# Altium PCB DD2090_4CAM_FFC.PcbDoc (part 3 of 4)
Units mm, origin at the board's own origin, x right, y up, seen from the top; angles counter-clockwise.
Board outline 65 x 38 mm, 6 copper layers (Top Copper, Layer 1, Layer 2, Layer 3, Layer 4, Bottom Layer), stack 1.578 mm thick; 177 components, 156 nets, 914 pads, 584 vias.
Unrouted connection lines stored in the file: 16.
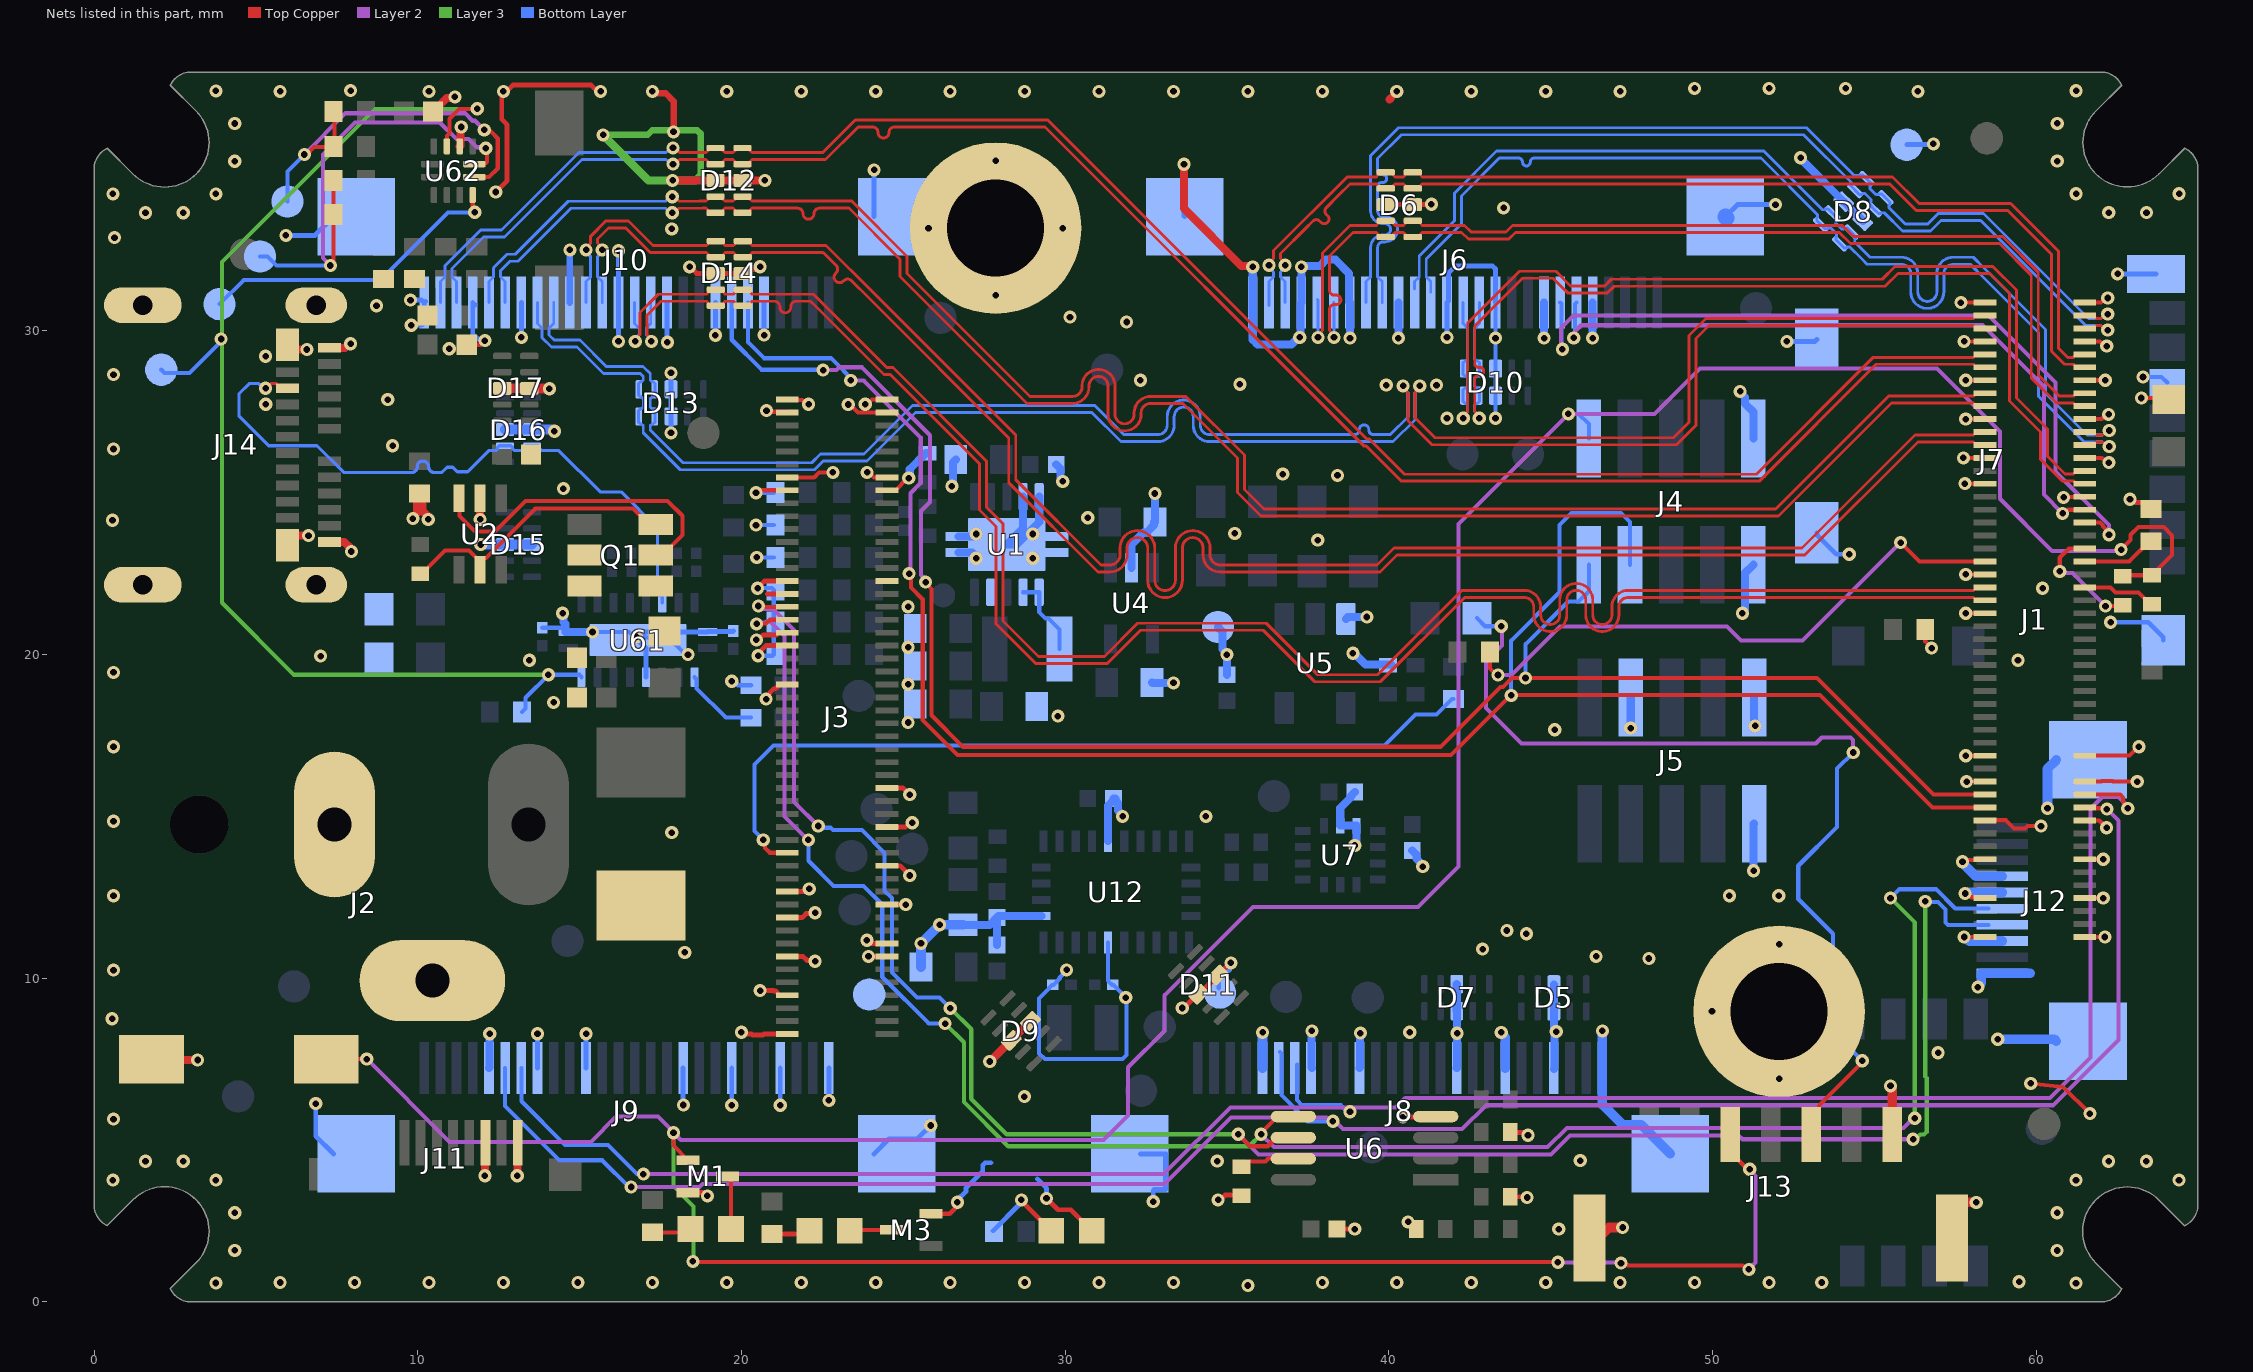
[diagram p7: the nets of this part, all layers, seen from the top]

## Via types
v1: diameter 0.406, hole 0.203, Top Copper to Bottom Layer, tented both sides, 584 vias

## Nets (pads, with @x,y where several pads share a name; then routed paths per layer and width w, separated by ;. In a path a pad name is that pad's centre, name@x,y a point inside that pad or via, vN(x,y) a via of type N, cw(c..) or ccw(c..) an arc to the next point about the centre after c; other vN are vias at no path point) (continued)
GND: B2.1 C1.2 C2.2 C3.1 C4.1 C5.1 C6.1 C7.1 C8.1 C9.1 C10.1 C11.1 C12.1 C13.2 C14.2 C15.2 C16.2 C18.1 C19.1 C42.1 C43.1 C44.1 C45.1 C46.2 C47.1 C48.1 C55.1 C73.1 C74.1 C76.1 C207.1 D1.1 D3.2 D5.3 D5.8 D6.3 D6.8 D7.3 D7.8 D8.3 D8.8 D9.3 D9.8 D10.3 D10.8 D11.3 D11.8 D12.3 D12.8 D13.3 D13.8 D14.3 D14.8 D15.3 D15.8 D16.3 D16.8 D17.3 D17.8 J1.1 J1.2 J1.7 J1.8 J1.13 J1.14 J1.19 J1.20 J1.25 J1.26 J1.30 J1.31 J1.44 J1.50 J1.71 J1.72 J1.75 J1.76 J1.81 J1.82 J1.87 J1.88 J1.93 J1.94 J1.99 J1.100 J2.2 J2.3 J3.1 J3.2 J3.3 J3.4 J3.13 J3.14 J3.15 J3.16 J3.29 J3.30 J3.32 J3.38 J3.40 J3.46 J3.61 J3.67 J3.73 J3.78 J3.79 J3.82 J3.85 J3.87 J3.88 J3.94 J3.100 J4.9 J4.10 J5.3 J5.9 J5.10 J6.1 J6.4 J6.7 J6.10 J6.13 J6.16 J6.19 J6.22 J6.MP1 J6.MP2 J7.6 J7.11 J7.12 J7.13 J7.14 J8.1 J8.4 J8.7 J8.10 J8.16 J8.19 J8.22 J8.MP1 J8.MP2 J9.1 J9.4 J9.7 J9.10 J9.16 J9.19 J9.22 J9.MP1 J9.MP2 J10.1 J10.4 J10.7 J10.10 J10.13 J10.16 J10.19 J10.22 J10.MP1 J10.MP2 J11.8 J11.10 J12.4 J12.5 J12.8 J12.10 J12.MP1 J12.MP2 J13.7 J13.MH1 J13.MH2 J14.A1 J14.A12 J14.B1 J14.B12 J14.SH1 J14.SH2 J14.SH3 J14.SH4 M1.2 M3.2 MTG7.1 MTG8.1 R11.1 R19.2 R20.2 R21.2 R22.2 R23.2 R25.1 R26.1 R30.1 R31.2 R32.2 R38.1 R39.1 R40.1 R63.2 R67.1 R183.1 R185.2 TP14.1 TP15.1 TP16.1 TP17.1 U1.4 U1.5 U1.11 U2.2 U4.2 U5.3 U6.4 U7.6 U7.7 U12.2 U12.10 U12.25 U61.5 U61.11 U61.20 U61.21 U62.10 | length 254.6
  Top Copper w0.127: v1@9.85,24.276 9.946,24.372 10.05,24.476 ; C8.1@11.515,29.571 11.946,29.571 v1(12.075,29.7) ; U2.2@11.925,24.825 U2.2@11.926,24.824 ; v1(20.45,25) 20.525,25.075 J3.16@21.415,25.075 ; v1(20.775,27.537) 20.81,27.501 21.389,27.501 J3.4@21.415,27.475 ; J3.14@21.415,25.475 22.25,25.475 22.4,25.625 22.825,25.625 v1(22.825,25.63) ; J3.2@21.415,27.875 21.426,27.864 21.866,27.864 21.998,27.732 v1(22.073,27.732) ; v1(23.3,27.725) 23.357,27.725 23.607,27.475 J3.3@24.495,27.475 ; v1(23.825,27.732) 23.885,27.732 24.028,27.875 J3.1@24.495,27.875 ; v1(23.883,25.63) 23.937,25.575 24,25.575 24.1,25.475 J3.13@24.495,25.475 ; J3.15@24.495,25.075 24.755,25.075 25.13,25.45 v1(25.17,25.45) ; R67.1@56.575,20.775 56.575,20.403 56.77,20.208 v1(56.77,20.2) ; v1(57.675,30.875) J1.2@58.42,30.875 ; v1(57.725,13.6) 57.773,13.648 58.394,13.648 J1.88@58.42,13.675 ; v1(57.75,26.075) J1.26@58.42,26.075 ; v1(57.775,11.275) J1.100@58.42,11.275 ; v1(57.775,29.675) J1.8@58.42,29.675 ; v1(57.8,25.28) 57.802,25.277 58.418,25.277 J1.30@58.42,25.275 ; v1(57.803,12.618) 57.879,12.618 57.995,12.501 58.394,12.501 J1.94@58.42,12.475 ; v1(57.825,16.875) J1.72@58.42,16.875 ; v1(57.825,21.275) J1.50@58.42,21.275 ; v1(57.825,22.475) J1.44@58.42,22.475 ; v1(57.825,27.275) J1.20@58.42,27.275 ; v1(57.825,28.475) J1.14@58.42,28.475 ; v1(57.85,16.075) J1.76@58.42,16.075 ; J1.82@58.42,14.875 58.425,14.88 59.063,14.88 59.318,14.625 59.659,14.625 59.734,14.7 v1(60.15,14.7) ; v1(59.834,6.75) 60.832,6.643 v1(61.658,5.817) ; v1(60.85,24.857) 60.859,24.866 61.491,24.866 J1.31@61.5,24.875 ; J1.99@61.5,11.275 v1(62.125,11.275) ; J1.93@61.5,12.475 v1(62.075,12.475) ; J1.87@61.5,13.675 v1(62.075,13.675) ; J1.81@61.5,14.875 61.95,14.875 v1(62.175,14.65) ; J1.75@61.5,16.075 62.014,16.075 62.032,16.093 62.355,16.093 62.373,16.075 v1(63.125,16.075) ; J1.71@61.5,16.875 61.504,16.879 62.883,16.879 63.154,17.15 v1(63.175,17.15) ; J1.25@61.5,26.075 62.027,26.075 62.17,25.932 v1(62.246,25.932) ; J1.19@61.5,27.275 62.026,27.275 62.168,27.418 v1(62.24,27.418) ; J1.13@61.5,28.475 v1(62.135,28.475) ; J1.7@61.5,29.675 61.977,29.675 62.123,29.53 v1(62.181,29.53) v1@62.211,29.5 ; J1.1@61.5,30.875 62.007,30.875 62.146,31.015 v1(62.21,31.015) ; v1(63.25,27.925) 64.05,27.925 C55.1@64.1,27.875
  Top Copper w0.15: v1(12.412,34.291) 12.761,34.641 12.761,36.367 12.594,36.534 12.594,37.344 v1(12.648,37.398) 12.745,37.398 12.947,37.6 13.048,37.6 13.049,37.602 15.349,37.602 15.551,37.4 v1(15.648,37.4) ; M1.2@18.353,3.375 18.85,3.375 v1(18.95,3.275) ; v1(18.4,31.976) 18.416,31.976 18.616,31.775 D14.3@19.208,31.775 ; D14.3@19.083,31.9 D14.3@19.208,31.775 ; v1(20,8.33) 20.049,8.281 20.21,8.281 20.216,8.275 20.317,8.275 20.347,8.245 20.662,8.245 20.692,8.275 J3.100@21.415,8.275 ; v1(20.463,20.454) 20.525,20.454 20.679,20.609 21.089,20.609 21.155,20.675 J3.38@21.415,20.675 ; v1(20.501,22.051) 20.501,22.059 20.717,22.275 J3.30@21.415,22.275 ; v1(20.517,19.963) 20.566,20.012 20.566,20.091 20.75,20.275 J3.40@21.415,20.275 ; v1(20.575,9.618) 20.582,9.625 20.975,9.625 20.992,9.608 21.052,9.608 21.14,9.521 21.14,9.49 21.155,9.475 J3.94@21.415,9.475 ; v1(20.575,31.98) 20.506,31.98 20.426,31.9 20.167,31.9 D14.8@20.042,31.775 D14.3@19.208,31.775 ; v1(20.76,18.624) 20.76,18.693 20.888,18.822 20.888,18.838 20.992,18.942 21.052,18.942 21.14,19.029 21.14,19.06 21.155,19.075 J3.46@21.415,19.075 ; 20.8,21.875 J3.32@21.415,21.875 ; J3.88@21.415,10.675 21.9,10.675 22.025,10.55 22.25,10.55 v1(22.275,10.525) ; J3.82@21.415,11.875 21.875,11.875 21.997,11.997 22.247,11.997 v1(22.275,12.025) ; J3.78@21.415,12.675 21.938,12.675 22.024,12.76 v1(22.093,12.76) ; v1(23.875,11.175) 23.975,11.075 J3.85@24.495,11.075 ; v1(23.925,10.675) J3.87@24.495,10.675 ; J3.79@24.495,12.275 v1(25.075,12.275) ; J3.73@24.495,13.475 24.9,13.475 v1(25.2,13.175) ; J3.67@24.495,14.675 25.076,14.675 25.206,14.805 v1(25.275,14.805) ; J3.61@24.495,15.875 25,15.875 v1(25.2,15.675) ; M3.2@25.858,2.725 26.438,2.725 26.624,2.911 26.624,3.031 v1(26.673,3.08) ; v1(29.425,3.2) 29.779,2.846 30.177,2.846 D1.1@30.823,2.2 ; v1(33.62,9.08) 33.662,9.08 34.091,9.51 D11.3@34.132,9.51 D11.8@34.723,10.1 34.735,10.1 35.11,10.475 v1(35.123,10.475) ; v1(34.725,3.15) 34.794,3.15 34.944,3.3 35.25,3.3 35.275,3.275 R30.1@35.45,3.275 ; C10.1@38.4,2.25 v1(38.95,2.25) ; D6.3@39.905,33.9 D6.8@40.74,33.9 40.747,33.906 41.31,33.906 v1(41.316,33.913) ; v1(40.435,5.71) 40.442,5.718 41.443,5.718 U6.4@41.45,5.725 ; v1(40.598,2.473) 40.664,2.408 40.7,2.408 40.7,2.4 R38.1@40.85,2.25 ; R39.1@43.95,3.25 44.25,3.25 v1(44.275,3.225) ; R40.1@43.95,5.25 43.966,5.234 44.216,5.234 v1(44.3,5.15) ; v1(62.899,24.8) 62.969,24.8 63.068,24.7 63.3,24.7 63.5,24.5 R26.1@63.55,24.5
  Top Copper w0.2: v1(17.248,37.398) 17.307,37.339 17.659,37.339 17.902,37.096 v1(17.902,36.149)
  Top Copper w0.25: B2.1@1.825,7.475 v1(3.2,7.475) ; J14.B1@5.975,23.375 5.975,23.45 6.2,23.675 v1(6.625,23.675) ; J14.B12@5.975,29.575 6.125,29.425 v1(6.575,29.425) ; J14.A12@7.275,23.475 7.73,23.475 7.919,23.286 7.919,23.214 v1(7.949,23.184) ; J14.A1@7.275,29.475 7.758,29.475 7.883,29.6 v1(7.925,29.6) ; v1(9.85,24.2) 9.85,24.242 9.984,24.376 9.984,24.909 R183.1@10.05,24.975 10.152,24.873 10.152,24.44 10.295,24.297 10.295,24.205 v1(10.325,24.175) ; C76.1@10.473,36.775 10.896,37.199 11.118,37.199 v1(11.148,37.229) ; U62.10@11.298,35.7 11.322,35.724 11.322,36.274 v1(11.346,36.298) ; U2.2@11.926,24.824 11.926,24.176 v1(11.928,24.175) ; v1(12.073,3.9) 12.081,3.908 12.081,4.911 J11.8@12.089,4.92 ; v1(13.073,3.9) 13.081,3.908 13.081,4.911 J11.10@13.089,4.92 ; v1(17.873,34.65) D12.3@19.198,34.65 D12.8@20.033,34.65 v1(20.723,34.65) ; v1(27.673,7.428) 27.681,7.428 28.922,8.668 D9.3@28.93,8.668 ; v1(33.673,35.15) 33.673,33.775 35.443,32.005 35.768,32.005 v1(35.798,31.975) ; 40.023,37.148 40.073,37.198
  Top Copper w0.3: v1(11.948,23.4) v1@11.968,23.38 ; D17.8@12.613,28.225 D17.3@13.448,28.225 13.454,28.218 14.058,28.218 v1(14.065,28.212) ; v1(14.223,26.9) v1@14.243,26.88 ; J13.MH1@46.475,1.975 46.8,2.3 v1(47.225,2.3) ; v1(55.5,6.672) 55.5,6.643 55.55,6.593 J13.7@55.55,5.175 ; J13.MH2@57.675,1.975 57.675,3 57.75,3.075 v1(58.15,3.075)
  Layer 2 w0.127: v1(62.181,29.53) 62.185,29.534 v1@62.185,29.6 ; v1@62.21,30.925 v1(62.21,31.015)
  Layer 3 w0.2: v1(15.726,36.055) 17.103,36.055 17.248,36.2 18.631,36.2 18.748,36.083 18.748,34.8
  Layer 3 w0.25: v1(15.726,36.055) 17.131,34.65 v1(17.873,34.65) 18.598,34.65 18.748,34.8
  Bottom Layer w0.127: v1(15.4,20.697) 16.531,20.697 U61.21@16.717,20.511 ; v1(16.755,20.548) 16.755,20.498 U61.21@16.803,20.449 U61.21@16.871,20.517 ; U61.21@16.787,20.517 U61.21@16.879,20.517 ; U61.21@16.956,20.525 17.749,20.525 18.221,20.053 18.297,20.053 v1(18.35,20) ; v1(20.45,24) R20.2@21,24 ; v1(20.45,25) R19.2@21,25 ; v1(20.475,23) R21.2@21,23 ; v1(20.501,22.051) 20.949,22.051 21,22 21,20 20.963,19.963 v1(20.517,19.963) ; v1(30.048,10.258) 30.048,10.235 29.835,10.022 29.835,9.989 29.64,9.794 C48.1@29.62,9.794 29.6,9.794 29.504,9.697 29.504,9.677 29.198,9.371 29.198,7.675 29.373,7.5 31.773,7.5 31.898,7.625 31.898,9.391 31.495,9.794 C47.1@31.475,9.794 31.455,9.794 31.328,9.921 U12.25@31.328,11.109 ; v1(43.298,27.3) D10.8@43.298,28 v1(43.298,29.775) J6.16@43.298,30.875 ; v1@62.165,29.514 v1(62.181,29.53) ; v1(63.3,28.575) 63.875,28.575 J7.6@64.05,28.4
  Bottom Layer w0.15: v1(5.925,32.95) 6.823,32.95 J10.MP1@7.398,33.525 ; v1(6.85,6.125) 6.85,5.123 J9.MP2@7.398,4.575 ; v1(9.775,30.95) 10.125,30.95 J10.1@10.2,30.875 ; v1(9.8,30.175) 10.125,30.175 10.2,30.25 J10.1@10.2,30.875 ; J10.1@10.236,30.911 J10.1@10.2,30.875 ; J10.4@11.775,30.8 J10.4@11.7,30.875 11.7,29.9 11.85,29.75 11.859,29.75 11.86,29.749 12.026,29.749 v1(12.075,29.7) v1@12.034,29.7 ; v1(13.2,29.8) J10.7@13.2,30.875 ; J9.19@13.7,7.225 v1(13.7,8.286) ; C12.1@13.85,20.83 14.523,20.83 ; J9.16@15.2,7.225 v1(15.2,8.286) ; v1(16.202,29.675) 16.2,29.677 J10.13@16.2,30.875 v1@16.2,32.373 ; v1@16.202,32.375 v1@16.2,32.373 ; v1(16.202,32.475) 16.2,32.473 v1@16.2,32.373 ; U61.21@16.803,20.449 17.053,20.199 U61.5@17.053,19.299 ; U61.21@16.879,20.525 16.917,20.563 17.053,20.699 U61.20@18.953,20.699 18.969,20.715 19.735,20.715 C11.1@19.75,20.73 ; J10.16@17.7,30.875 17.7,29.661 v1(17.712,29.65) ; v1(17.825,26.85) D13.8@17.825,27.357 D13.3@17.825,28.192 v1(17.825,28.7) ; v1@18.2,6.091 J9.10@18.2,7.225 ; v1@19.197,29.836 v1(19.197,29.866) 19.2,29.869 J10.19@19.2,30.875 ; v1(19.7,6.077) J9.7@19.7,7.225 ; v1(19.7,19.175) 19.769,19.175 19.894,19.05 R185.2@20.298,19.05 ; v1@20.7,29.852 v1(20.7,29.868) J10.22@20.7,30.875 ; v1(21.2,6.077) J9.4@21.2,7.225 ; v1(22.7,6.225) J9.1@22.7,7.225 ; J9.MP1@24.098,4.575 24.558,5.035 25.435,5.035 v1(25.85,5.45) ; J10.MP2@24.098,33.525 v1(24.098,34.973) ; v1(26.673,3.08) 26.673,3.149 26.94,3.416 26.94,3.525 27.453,4.038 27.453,4.225 27.528,4.3 27.715,4.3 ; 29.14,3.8 29.427,3.513 29.427,3.202 v1(29.425,3.2) ; J8.MP2@32.325,4.575 33.123,4.575 33.099,4.551 33.099,3.474 32.749,3.474 32.725,3.45 v1(32.725,3.1) ; v1(33.673,35.15) 33.673,33.55 J6.MP1@33.698,33.525 ; TP15.1@34.748,9.7 34.748,9.93 35.074,10.256 35.074,10.426 v1(35.123,10.475) ; v1(41.798,29.8) J6.13@41.798,30.875 41.848,30.925 41.848,31.8 42.048,32 43.21,32 43.298,31.912 J6.16@43.298,30.875 ; J6.MP2@50.398,33.525 50.773,33.9 v1(51.948,33.9) ; v1(52.3,29.675) 53.165,29.675 J7.12@53.225,29.735 ; J7.11@53.225,23.765 53.225,23.7 53.825,23.1 v1(54.225,23.1) ; TP17.1@56,35.75 56.012,35.762 56.812,35.762 v1(56.825,35.775) ; v1(62.3,21) 63.465,21 63.925,20.54 J7.14@63.925,20.44 ; v1(62.515,31.76) J7.13@63.7,31.76
  Bottom Layer w0.2: v1(10.975,29.45) v1@10.998,29.473 ; J10.10@14.7,30.875 v1(14.7,32.5)
  Bottom Layer w0.25: J9.22@12.2,7.225 12.213,7.238 12.213,8.274 v1(12.225,8.286) ; v1(14.475,21.275) 14.505,21.245 14.505,21 14.558,20.947 14.558,20.699 U61.11@14.653,20.699 U61.21@15.428,20.699 ; v1(25.17,25.45) 25.2,25.48 25.2,25.725 25.7,26.225 R25.1@25.75,26.225 ; v1(26.5,25.2) 26.53,25.23 26.53,25.93 C2.2@26.625,26.025 ; U1.11@26.7,23.15 27.125,23.15 27.25,23.025 v1(27.25,22.975) ; U1.11@26.7,23.65 27.175,23.65 v1(27.25,23.725) ; C42.1@26.848,11.65 27.673,11.65 C45.1@27.898,11.875 ; C44.1@27.898,11.025 C45.1@27.898,11.875 ; U1.4@28.7,24.875 28.7,23.9 U1.11@28.2,23.4 28.5,23.4 29.2,24.1 U1.5@29.2,24.875 ; U12.2@29.266,11.921 27.944,11.921 C45.1@27.898,11.875 ; C1.2@29.725,25.875 29.86,25.74 29.86,25.457 29.925,25.392 v1(29.925,25.35) ; U12.10@31.328,14.234 31.328,15.33 C46.2@31.548,15.55 ; C46.2@31.498,15.55 31.633,15.415 31.633,15.187 31.776,15.044 v1(31.776,15.002) ; U4.2@32.049,22.683 32.049,23.398 32.424,23.773 32.524,23.773 32.749,23.998 C6.1@32.749,24.098 ; C7.1@32.687,19.136 32.697,19.125 v1(33.348,19.125) ; v1@32.774,24.977 v1(32.775,24.976) C6.1@32.775,24.1 ; TP16.1@34.723,20.85 34.866,20.707 34.866,20.174 34.998,20.042 v1(34.998,20) C9.1@34.998,19.375 ; v1(35.798,31.975) J6.1@35.798,30.875 35.798,29.726 35.944,29.58 36.99,29.58 37.21,29.8 v1(37.248,29.8) 37.273,29.825 37.273,30.85 J6.4@37.298,30.875 v1(37.298,31.975) 37.328,32.005 37.87,32.005 38.065,32.2 38.348,32.2 38.773,31.775 38.773,30.9 J6.7@38.798,30.875 38.8,30.873 38.8,29.777 v1(38.803,29.775) ; J8.19@37.623,7.225 37.611,7.237 37.611,8.361 v1(37.625,8.375) ; U5.3@38.673,21.1 38.733,21.16 v1(39.322,21.16) ; v1@38.914,20.059 39.278,19.695 40.065,19.695 R11.1@40.089,19.671 ; v1(38.95,14.1) 38.95,14.142 39,14.192 U7.7@39,14.713 U7.6@38.5,14.713 38.5,15.26 38.815,15.575 38.815,15.615 C19.1@38.95,15.75 ; J8.16@39.098,7.225 39.11,7.238 39.11,8.294 v1(39.123,8.307) ; v1(40.298,29.775) J6.10@40.298,30.875 ; C18.1@40.725,13.95 40.86,13.815 40.86,13.69 41.02,13.53 41.02,13.48 v1(41.05,13.45) ; J8.10@42.098,7.225 42.104,7.231 42.104,8.294 v1(42.11,8.3) 42.105,8.305 42.105,8.978 D7.3@42.1,8.982 D7.8@42.1,9.817 ; v1(44.798,29.775) J6.19@44.798,30.875 ; J8.4@45.098,7.2 45.123,7.225 45.123,8.256 45.175,8.308 v1(45.175,8.35) ; D5.8@45.098,9.81 D5.3@45.098,8.975 45.099,8.974 45.099,8.351 v1@45.1,8.35 ; v1(46.298,29.775) J6.22@46.298,30.875 ; v1(47.474,17.728) 47.474,18.672 J5.3@47.478,18.675 ; v1(50.854,28.132) 50.854,28.103 51.008,27.949 51.008,27.75 51.263,27.495 J4.9@51.263,26.675 ; v1(50.925,21.275) 50.925,21.317 51.008,21.4 51.008,22.52 J4.10@51.263,22.775 ; v1(51.273,13.318) 51.273,14.76 J5.10@51.288,14.775 ; J5.9@51.288,18.675 51.288,17.828 v1(51.319,17.798) ; v1(52.723,35.35) 52.723,35.325 52.873,35.175 52.873,35.172 D8.8@54.055,33.99 D8.3@54.645,33.4
  Bottom Layer w0.3: v1(11.948,23.4) D15.3@12.698,23.4 D15.8@13.533,23.4 ; D16.3@12.698,26.95 D16.8@13.533,26.95 14.144,26.95 14.194,26.9 v1(14.223,26.9) ; C43.1@25.548,10.35 v1(25.548,11.075) v1(26.123,11.65) C42.1@26.848,11.65 ; J8.22@36.098,7.225 36.098,8.323 v1(36.1,8.325) ; v1(43.475,8.325) 43.475,8.296 43.598,8.173 J8.7@43.598,7.225 ; v1(46.6,8.375) 46.598,8.373 46.598,6.102 47.224,5.476 47.797,5.476 J8.MP1@48.698,4.575 ; v1(57.725,13.6) 57.745,13.58 57.745,13.548 58.144,13.149 J12.4@58.95,13.149 ; v1(57.775,11.275) 57.804,11.275 57.929,11.149 J12.8@58.95,11.149 ; v1(57.803,12.618) 57.832,12.618 57.864,12.649 J12.5@58.95,12.649 ; v1(58.2,9.725) 58.2,9.754 58.3,9.854 58.3,10.149 J12.10@58.95,10.149 ; v1(58.815,8.115) 60.561,8.115 J12.MP2@60.625,8.051 ; v1(60.35,15.25) 60.35,16.474 J12.MP1@60.625,16.749 ; J12.10@58.95,10.149 59.81,10.149 J12.10@58.95,10.149
  Bottom Layer w0.5: J6.MP2@50.398,33.525 J6.MP2@50.436,33.487
  other v1: 35.648,0.508 3.763,0.583 61.231,0.581 5.748,0.6 8.048,0.6 10.348,0.6 12.648,0.6 14.948,0.6 17.248,0.6 19.548,0.6 21.848,0.6 24.148,0.6 26.448,0.6 28.748,0.6 31.048,0.6 33.348,0.6 37.948,0.6 40.248,0.6 42.548,0.6 44.848,0.6 47.148,0.6 49.448,0.6 51.748,0.6 53.375,0.6 59.475,0.625 4.345,1.592 60.649,1.589 45.25,2.25 60.649,2.754 4.345,2.757 0.581,3.765 3.763,3.765 61.231,3.763 64.413,3.763 1.589,4.348 2.754,4.348 34.7,4.35 62.24,4.345 63.405,4.345 45.914,4.365 0.6,5.649 18.207,6.084 28.743,6.344 52.06,6.9 56.973,7.7 40.645,8.33 0.558,8.75 49.985,8.975 31.873,9.4 0.6,10.249 48.037,10.61 46.405,10.675 18.248,10.8 42.9,10.9 52.06,11.05 44.25,11.375 43.65,11.475 0.6,12.549 50.523,12.55 52.048,12.55 17.848,14.5 0.6,14.849 34.348,15 0.6,17.149 45.125,17.675 25.15,17.9 29.775,18.1 14.196,18.522 25.15,19.082 0.6,19.449 59.438,19.822 13.448,19.825 6.998,19.95 38.893,20.038 25.15,20.225 25.15,21.475 60.2,22.05 29,22.975 37.806,23.535 29,23.725 35.241,23.743 0.57,24.151 30.7,24.225 14.5,25.125 38.415,25.537 36.725,25.575 0.6,26.349 9.225,26.45 41.798,27.3 5.305,27.732 9.075,27.875 39.923,28.325 41.473,28.325 35.4,28.35 32.325,28.475 0.6,28.649 5.297,29.218 31.9,30.275 30.15,30.425 8.725,30.775 27.855,31.1 0.631,32.88 17.848,33.15 25.78,33.175 29.93,33.175 1.589,33.65 2.754,33.65 62.243,33.653 63.408,33.653 43.548,33.8 0.581,34.232 3.763,34.232 61.235,34.235 64.417,34.235 4.345,35.241 27.855,35.25 60.652,35.244 4.345,36.406 60.652,36.408 5.748,37.398 10.348,37.398 19.548,37.398 21.848,37.398 24.148,37.398 26.448,37.398 28.748,37.398 31.048,37.398 33.348,37.398 35.648,37.398 37.948,37.398 40.248,37.398 42.548,37.398 44.848,37.398 47.148,37.398 56.348,37.398 3.763,37.414 7.924,37.422 61.235,37.417 49.448,37.49 51.748,37.49 54.113,37.49
I2C0_SCL: J3.34 J12.7 U6.6 | length 62.4
  Top Copper w0.127: v1(20.525,21.5) 20.55,21.475 J3.34@21.415,21.475 ; v1(35.35,5.178) 35.718,4.81 36.26,4.81 36.525,5.075 U6.6@37.05,5.075
  Layer 2 w0.127: v1(20.525,21.5) 20.601,21.5 20.691,21.41 20.976,21.41 21.625,20.761 21.625,15.45 v1(22.373,14.702) ; v1(35.35,5.178) 35.975,4.553 45.007,4.553 45.6,5.146 50.801,5.146 50.923,5.025 v1(56.2,5.025)
  Layer 3 w0.127: v1(26.45,9.075) 27.1,8.425 27.1,6.275 28.197,5.178 v1(35.35,5.178) ; v1(56.2,5.025) 56.276,5.025 56.419,5.168 56.533,5.168 56.618,5.253 56.618,6.922 56.575,6.966 v1(56.575,12.375)
  Bottom Layer w0.127: v1(22.373,14.702) 22.426,14.649 22.757,14.649 22.83,14.575 23.725,14.575 24.425,13.875 24.425,12.7 24.65,12.475 24.65,10.175 25.425,9.4 26.125,9.4 v1(26.45,9.075) ; v1(56.575,12.375) 56.592,12.358 56.969,12.358 57.2,12.127 57.2,11.724 57.274,11.65 J12.7@58.525,11.65
I2C0_SDA: J3.36 J12.6 U6.5 | length 62
  Top Copper w0.127: v1(20.47,20.949) 20.479,20.957 20.765,20.957 20.882,21.075 J3.36@21.415,21.075 ; v1(36.056,5.178) 36.056,5.217 36.564,5.725 U6.5@37.05,5.725
  Layer 2 w0.127: v1(20.47,20.949) 20.507,20.986 20.736,20.986 20.773,21.023 20.878,21.023 21.325,20.576 21.325,15 22.05,14.275 v1(22.07,14.275) ; v1(36.056,5.178) 36.453,4.782 44.907,4.782 45.5,5.375 55.903,5.375 56.203,5.675 v1(56.25,5.675)
  Layer 3 w0.127: v1(26.293,8.6) 26.871,8.021 26.871,6.18 28.242,4.81 35.688,4.81 v1(36.056,5.178) ; v1(55.5,12.475) 56.25,11.725 v1(56.25,5.675)
  Bottom Layer w0.127: v1(22.07,14.275) 22.07,13.63 22.85,12.85 23.775,12.85 24.35,12.275 24.35,10.038 25.788,8.6 v1(26.293,8.6) ; v1(55.5,12.475) 55.775,12.75 56.9,12.75 57.5,12.15 J12.6@58.525,12.15
I2C1_SCL: J1.35 J6.20 | length 24.8
  Top Copper w0.127: J1.35@61.5,24.075 61.975,24.075 62.065,23.985 62.065,23.961 62.25,23.776 v1(62.25,23.7)
  Layer 2 w0.127: v1(45.362,29.433) 45.323,29.473 45.323,30.088 45.709,30.475 58.523,30.475 60.598,28.4 60.598,25.648 62.247,23.999 62.247,23.703 v1(62.25,23.7)
  Bottom Layer w0.127: J6.20@45.298,30.875 45.33,30.843 45.33,29.466 v1(45.362,29.433)
I2C1_SDA: J1.33 J6.21 | length 21.6
  Top Copper w0.127: v1(60.818,24.362) 60.876,24.362 60.989,24.475 J1.33@61.5,24.475
  Layer 2 w0.127: v1(45.712,29.784) 45.766,29.837 45.766,29.996 45.945,30.175 58.348,30.175 60.241,28.281 60.241,24.939 v1(60.818,24.362)
  Bottom Layer w0.127: v1(45.712,29.784) 45.755,29.826 45.755,30.832 J6.21@45.798,30.875
I2C2_SCL: J1.77 J8.20 J9.20 | length 65.6
  Top Copper w0.127: J1.77@61.5,15.675 62.599,15.675 62.687,15.587 62.687,15.465 62.83,15.322 v1(62.83,15.246)
  Layer 2 w0.127: v1(16.973,3.95) 33.046,3.95 35.104,6.009 40.212,6.009 40.507,6.304 60.429,6.304 61.675,7.55 61.675,15.236 62.043,15.603 62.541,15.603 62.83,15.314 v1(62.83,15.246)
  Bottom Layer w0.127: J9.20@13.2,7.225 13.2,6.2 14.55,4.85 15.875,4.85 16.775,3.95 v1(16.973,3.95) ; J8.20@37.173,7.326 37.164,7.317 37.164,6.235 37.323,6.075 38.527,6.075 38.726,5.875 v1(38.802,5.875)
I2C2_SDA: J1.79 J8.21 J9.21 | length 65.5
  Top Copper w0.127: J1.79@61.5,15.275 61.525,15.25 62.16,15.25 v1(62.185,15.225)
  Layer 2 w0.127: v1(16.592,3.55) 18.704,3.55 18.797,3.643 33.068,3.643 35.125,5.7 38.079,5.7 38.197,5.582 v1(38.273,5.582) ; v1@38.282,5.591 38.339,5.591 38.588,5.342 42.267,5.342 43,6.075 60.523,6.075 62.543,8.095 62.543,14.867 v1(62.185,15.225)
  Bottom Layer w0.127: J9.21@12.7,7.225 12.7,6.05 14.375,4.375 15.7,4.375 16.525,3.55 v1(16.592,3.55) ; J8.21@36.639,7.716 36.685,7.67 36.685,6.39 37.493,5.582 v1(38.273,5.582)
I2C3_SCL: J1.78 J4.2 J10.20 | length 57.3
  Top Copper w0.127: v1(25.69,22.24) 25.69,22.211 25.875,22.026 25.875,18.125 26.85,17.15 41.598,17.15 43.447,19 43.526,19 43.801,19.275 v1(44.223,19.275) 53.223,19.275 56.823,15.675 J1.78@58.42,15.675